# Altium PCB NFC_EEG.PcbDoc (part 2 of 3) (continued)
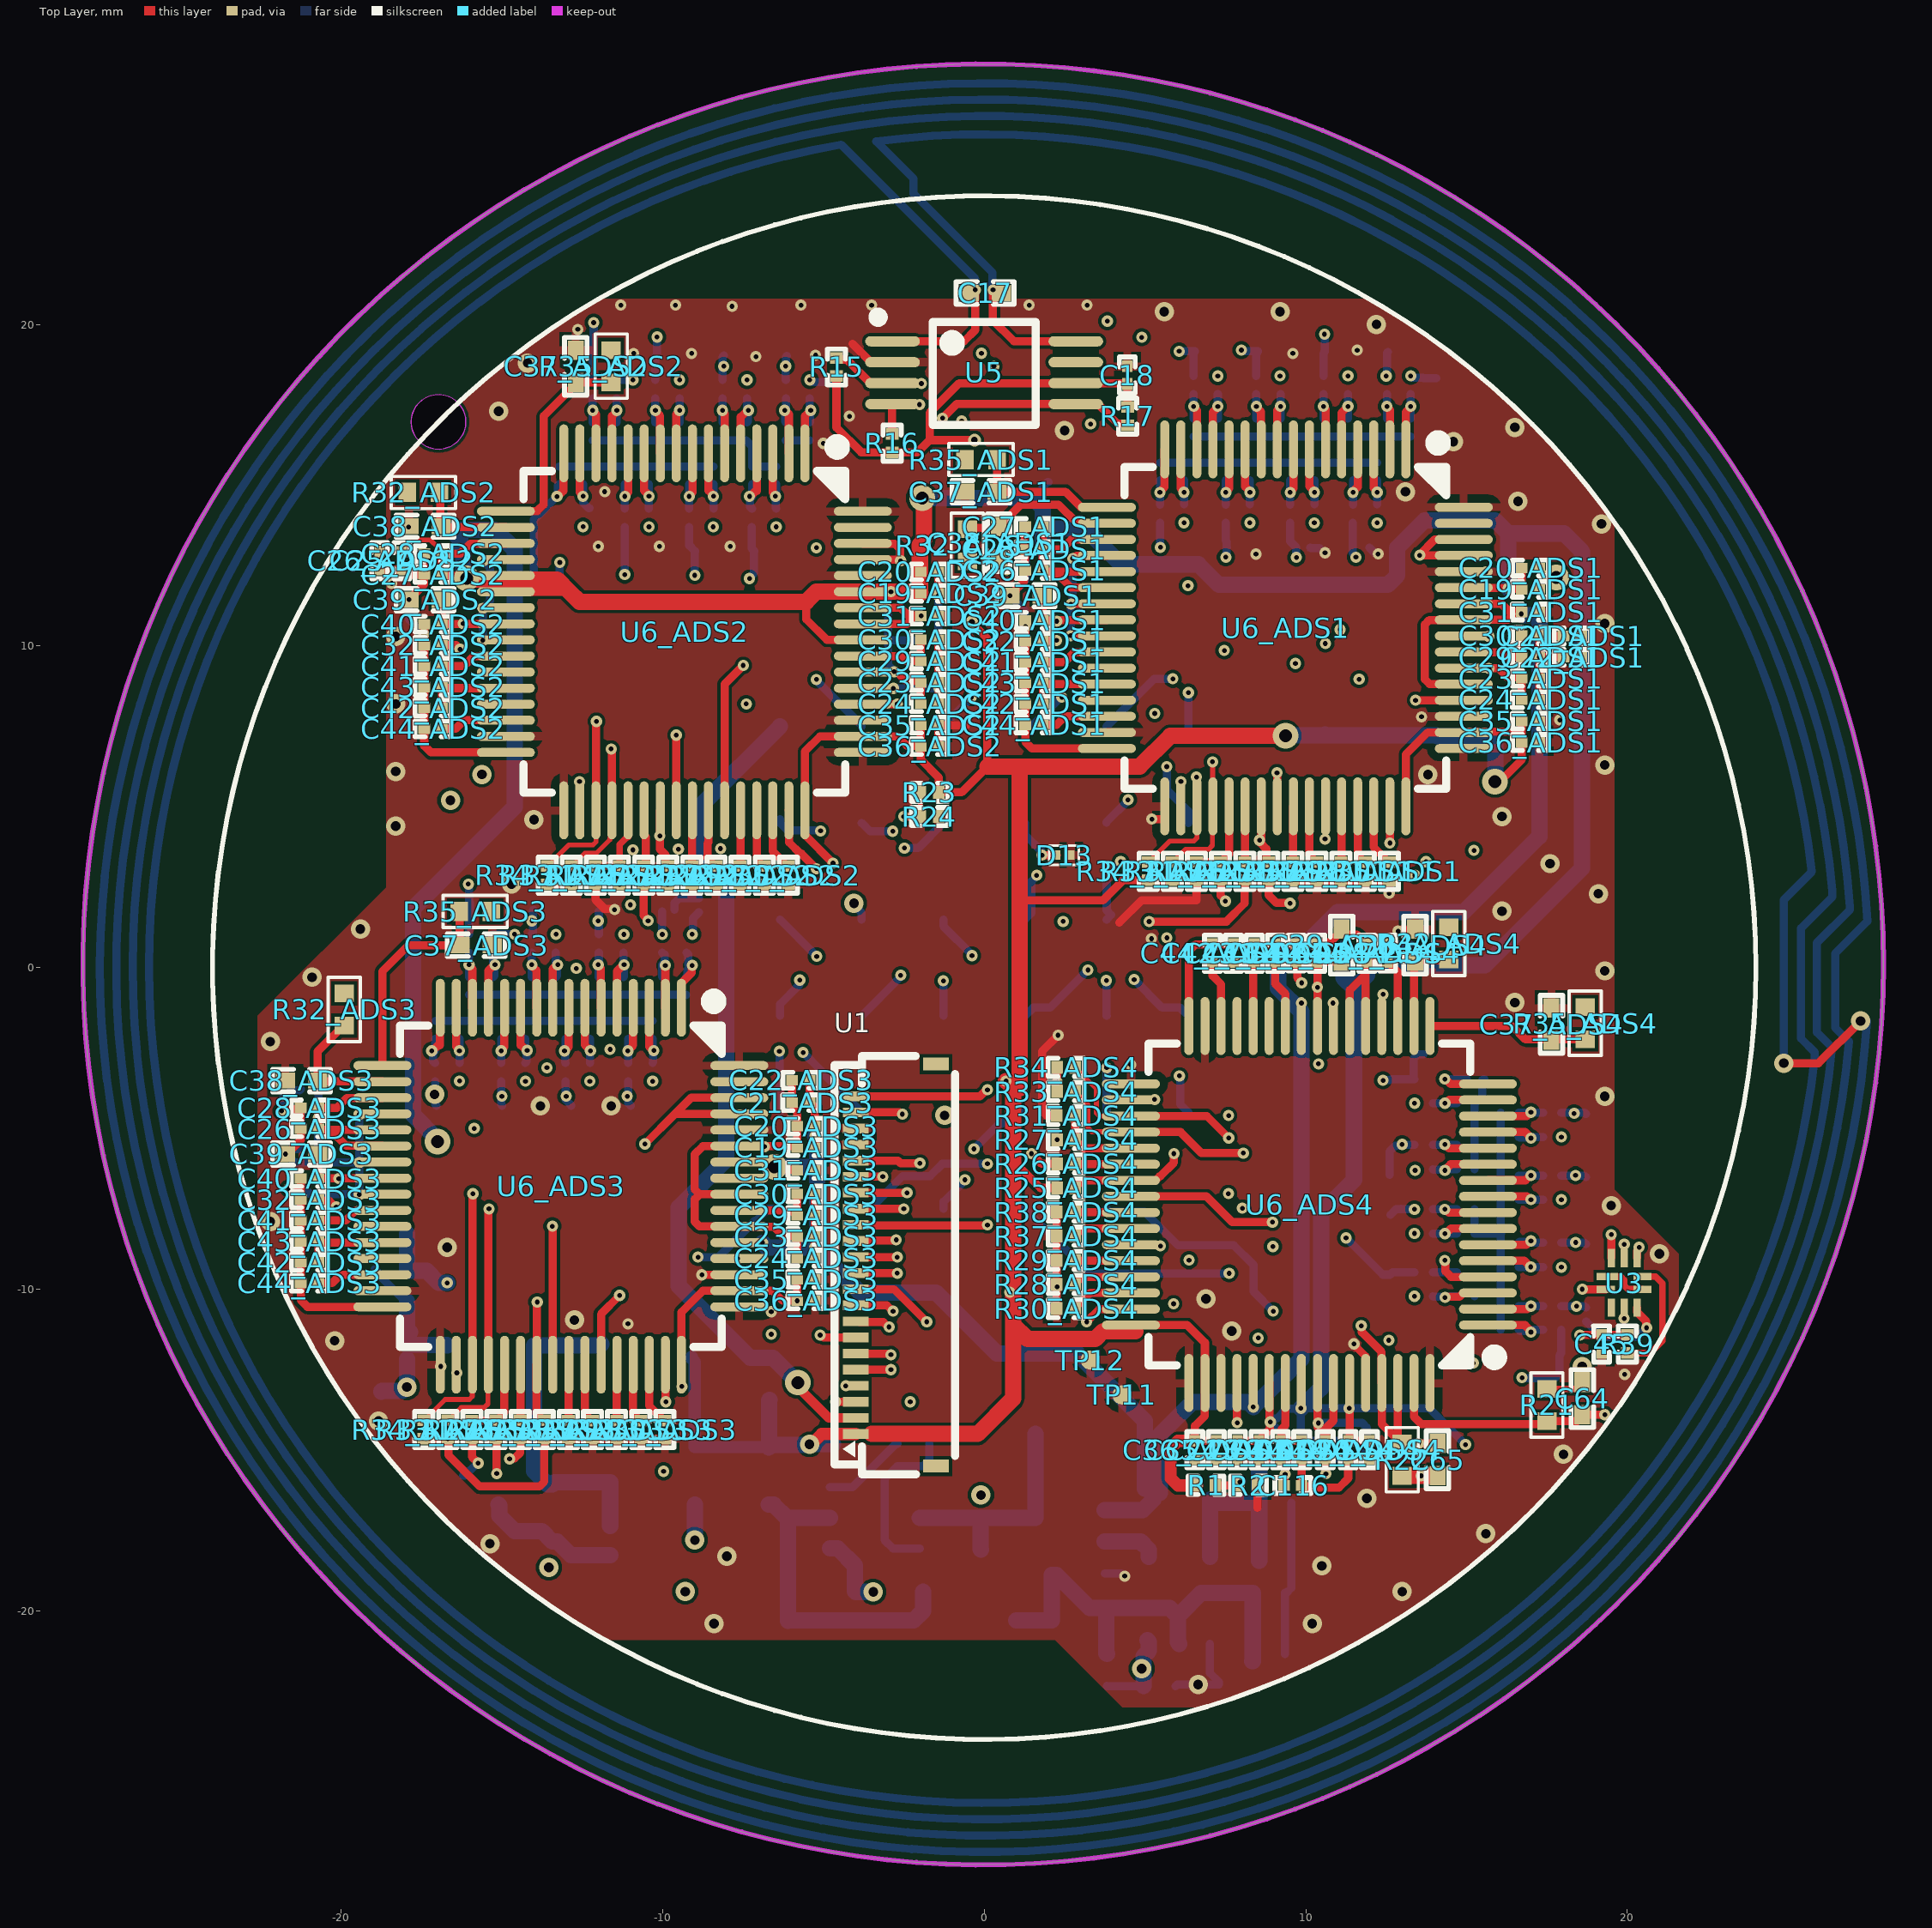
[diagram p0: Top Layer view]
## Nets (pads, with @x,y where several pads share a name; then routed paths per layer and width w, separated by ;. In a path a pad name is that pad's centre, name@x,y a point inside that pad or via, vN(x,y) a via of type N, cw(c..) or ccw(c..) an arc to the next point about the centre after c; other vN are vias at no path point) (continued)
ADS2_P5: D7_ADS2.1 J7.8 R46_ADS2.2 | length 18.7
  signal1 w0.254: v1(-9.509,3.686) -9.509,4.691 -9,5.2 v1(-9,12.2)
  signal2 w0.254: v1(-9.509,3.686) -8.495,4.7 -3.3,4.7 v1(-2.842,4.242)
  Bottom Layer w0.254: R46_ADS2.2@-9.175,13.706 -9.175,13.132 -8.995,12.952 D7_ADS2.1@-8.995,12.941 -8.997,12.938 -8.997,12.203 v1(-9,12.2) ; J7.8@-3.81,4.5 -3.552,4.242 v1(-2.842,4.242)
ADS2_P6: D6_ADS2.1 J7.25 R44_ADS2.2 | length 24.7
  signal1 w0.254: v1(-8.1,18.7) -8.1,18 -7.736,17.636 -7.736,16.836 -6.894,15.994 -6.894,14.139 -6.904,14.13 -6.904,12.275 -6.896,12.267 -6.896,-2.097 -6.396,-2.597 v1(-6.37,-2.597)
  Bottom Layer w0.254: R44_ADS2.2@-8.14,18.276 -8.14,18.985 -8.095,19.03 D6_ADS2.1@-8.095,19.041 ; v1(-6.37,-2.597) -6.36,-2.607 -6.36,-4.49 J7.25@-6.35,-4.5
ADS2_P7: D5_ADS2.1 J7.9 R42_ADS2.2 | length 17.7
  signal1 w0.254: v1(-8.201,3.702) -8.201,11.199 v1(-7.3,12.1)
  signal2 w0.254: v1(-8.201,3.702) -8.192,3.711 -2.487,3.711 v1(-2.478,3.719)
  Bottom Layer w0.254: v1(-7.3,12.1) -7.3,12.126 -7.157,12.269 -7.157,12.929 D5_ADS2.1@-7.145,12.941 -7.145,12.952 -7.224,13.03 R42_ADS2.2@-7.224,13.706 ; v1(-2.478,3.719) -2.051,3.719 J7.9@-1.27,4.5
ADS2_P8: D4_ADS2.1 J7.26 R40_ADS2.2 | length 25.4
  signal1 w0.254: v1(-6.174,18.702) -6.155,18.684 -6.155,18.155 -5.8,17.8 -5.8,16.703 -6.03,16.473 -6.03,13.334 -6.3,13.065 -6.3,-1.969 v1(-5.632,-2.638)
  Bottom Layer w0.254: R40_ADS2.2@-6.166,18.276 -6.17,18.28 -6.17,18.698 v1(-6.174,18.702) -6.155,18.721 -6.155,18.999 D4_ADS2.1@-6.137,19.018 ; v1(-5.632,-2.638) -5.069,-3.201 -5.069,-3.241 J7.26@-3.81,-4.5
ADS3_P1: D11_ADS3.1 J7.11 R54_ADS3.2 | length 32.2
  signal1 w0.254: v2(-17.093,-3.94) -17.093,-3.071 -16.778,-2.756 -16.778,-0.525 -16.779,-0.524 -16.779,4.927 -16.6,5.106 v2(-16.6,5.2)
  signal2 w0.254: v2(-16.6,5.2) -16.59,5.21 4.464,5.21 v1(4.474,5.221)
  Bottom Layer w0.254: R54_ADS3.2@-17.07,-3.535 -17.07,-4.259 -17.04,-4.289 D11_ADS3.1@-17.04,-4.3 ; J7.11@3.8,4.51 3.8,4.521 4.474,5.195 v1(4.474,5.221)
ADS3_P2: D10_ADS3.1 J7.28 R52_ADS3.2 | length 27.4
  signal1 w0.254: v1(-16.043,2.598) -16.043,2.574 -16.424,2.193 -16.424,-0.376 -15.856,-0.944 -15.856,-4.993 v1(-15.861,-4.998)
  signal2 w0.254: v1(-15.861,-4.998) -6.602,-4.998 -5.962,-5.638 -0.32,-5.638 v1(-0.319,-5.637)
  Bottom Layer w0.254: v1(-16.043,2.598) -16.024,2.58 -16.024,2.046 -16,2.022 -16,1.779 -16.02,1.759 R52_ADS3.2@-16.02,1.035 ; v1(-0.319,-5.637) 0.463,-4.855 0.551,-4.855 0.906,-4.5 J7.28@1.27,-4.5
ADS3_P3: D9_ADS3.1 J7.12 R50_ADS3.2 | length 34.6
  signal1 w0.254: v2(-15.619,6.009) -15.616,6.007 -15.616,-0.079 -15.448,-0.247 -15.448,-3.552 v1(-15,-4)
  signal2 w0.254: v2(-15.619,6.009) -15.619,6.048 -15.293,6.374 5.527,6.374 5.652,6.249 v1(5.678,6.249)
  Bottom Layer w0.254: R50_ADS3.2@-15.02,-3.535 -15.02,-4.259 -14.99,-4.289 D9_ADS3.1@-14.99,-4.3 ; v1(5.678,6.249) 5.678,5.536 6.35,4.864 J7.12@6.35,4.5
ADS3_P4: D8_ADS3.1 J7.29 R48_ADS3.2 | length 24.3
  signal1 w0.254: v1(-14.063,1.453) -14.063,0.652 -13.666,0.256 -13.666,-0.079 -13.6,-0.145 v1(-13.6,-3.11)
  signal2 w0.254: v1(-13.6,-3.11) v1(3.81,-3.11)
  Bottom Layer w0.254: R48_ADS3.2@-14.066,1.039 -14.028,1.077 -14.028,1.792 D8_ADS3.1@-14.016,1.804 ; J7.29@3.81,-4.5 v1(3.81,-3.11)
ADS3_P5: D7_ADS3.1 J7.13 R46_ADS3.2 | length 14.6
  signal1 w0.254: v1(-13,-4) -12.996,-3.996 -12.996,-3.444 -12.648,-3.096 -12.648,-1.591 -12.685,-1.554 v1(-12.685,-0.023)
  signal2 w0.254: v1(-12.685,-0.023) -12.659,-0.023 -12.255,-0.427 -8.3,-0.427 ; -8.3,-0.4 -7.55,0.35 v1(-5.207,0.35)
  Bottom Layer w0.254: R46_ADS3.2@-13.02,-3.535 -13.02,-4.109 -12.84,-4.289 D7_ADS3.1@-12.84,-4.3 ; J7.13@-6.35,1.5 -6.35,1.497 -5.207,0.353 v1(-5.207,0.35)
ADS3_P6: D6_ADS3.1 J7.30 R44_ADS3.2 | length 24.5
  signal1 w0.254: v1@-12.006,1.395 -12.006,0.661 -11.6,0.256 -11.6,-1.104 -11.635,-1.139 v1(-11.635,-2.542)
  signal2 w0.254: v1(-11.635,-2.542) -11.212,-2.12 -5.28,-2.12 -4.8,-2.6 5.304,-2.6 v1(6.07,-3.366)
  Bottom Layer w0.254: R44_ADS3.2@-11.985,1.035 -11.985,1.744 -11.94,1.789 D6_ADS3.1@-11.94,1.8 ; v1(6.07,-3.366) 6.07,-3.392 6.092,-3.415 6.092,-4.242 J7.30@6.35,-4.5
  other v1: -12.006,1.455
ADS3_P7: D5_ADS3.1 J7.14 R42_ADS3.2 | length 14.7
  signal1 w0.254: v1(-11.1,-4) -11.1,-3.255 -10.677,-2.832 -10.677,1.08 -11.002,1.404 v1(-11.002,1.955)
  signal2 w0.254: v1(-11.002,1.955) -10.984,1.973 -10.383,1.973 -10.242,1.832 -4.372,1.832 -4.27,1.934 -4.116,1.934 v2(-4.05,2)
  Bottom Layer w0.254: R42_ADS3.2@-11.069,-3.535 -11.069,-4.21 -10.99,-4.289 D5_ADS3.1@-10.99,-4.3 ; v2(-4.05,2) -4.05,1.948 -3.81,1.708 J7.14@-3.81,1.5
ADS3_P8: D4_ADS3.1 J7.31 R40_ADS3.2 | length 14.6
  signal1 w0.254: v1(-10.011,1.035) -10.011,1.009 -10.322,0.698 -10.322,-1.729 -9.451,-2.6 -9.451,-8.449 v1(-8.9,-9)
  Bottom Layer w0.254: v1(-10.011,1.035) D4_ADS3.1@-10.011,1.748 ; v1(-8.9,-9) -8.268,-9 -7.14,-7.872 -7.087,-7.872 -6.714,-7.5 J7.31@-6.35,-7.5
ADS4_P1: D11_ADS4.1 J7.15 R54_ADS4.2 | length 17.9
  signal2 w0.254: v1(-0.38,0.373) 2.492,0.373 2.536,0.418 5.382,0.418 9.304,-3.504 v1(12.404,-3.504)
  Bottom Layer w0.254: J7.15@-1.27,1.5 -1.27,1.29 -0.38,0.399 v1(-0.38,0.373) ; v1(12.404,-3.504) 12.408,-3.499 12.61,-3.499 12.615,-3.495 ; 12.656,-3.465 13.38,-3.465 13.36,-3.446 13.36,-2.824 13.485,-2.7 D11_ADS4.1@13.66,-2.7
ADS4_P2: D10_ADS4.1 J7.32 R52_ADS4.2 | length 24.2
  signal2 w0.254: v1(0.1,-6.1) 1.216,-6.1 1.304,-6.188 11.212,-6.188 12.5,-4.9 17.5,-4.9 17.869,-4.531 v1(18.347,-4.531)
  Bottom Layer w0.254: J7.32@-3.81,-7.5 -3.556,-7.5 -2.539,-6.483 -1.683,-6.483 -1.3,-6.1 v1(0.1,-6.1) ; R52_ADS4.2@17.95,-4.515 18.674,-4.515 18.704,-4.545 D10_ADS4.1@18.715,-4.545
ADS4_P3: D9_ADS4.1 J7.16 R50_ADS4.2 | length 23.5
  signal1 w0.254: v1(12.996,-5.496) 12.996,-5.47 12.864,-5.338 12.864,-2.736 13.395,-2.205 v1(13.395,2.871)
  signal2 w0.254: v1(1.631,2.87) v1(13.395,2.871)
  Bottom Layer w0.254: J7.16@1.27,1.5 1.468,1.698 1.468,2.681 1.631,2.844 v1(1.631,2.87) ; D9_ADS4.1@12.604,-6.447 12.604,-5.717 12.788,-5.533 12.938,-5.533 12.974,-5.496 v1(12.996,-5.496) v1@13,-5.496 ; v1@13,-5.515 R50_ADS4.2@13.38,-5.515
ADS4_P4: D8_ADS4.1 J7.33 R48_ADS4.2 | length 21.5
  signal2 w0.254: v1(-0.6,-6.596) -0.596,-6.6 11.5,-6.6 12.2,-5.9 17.832,-5.9 v1(18.391,-6.459)
  Bottom Layer w0.254: J7.33@-1.27,-7.5 -1.27,-7.27 -1.248,-7.27 -0.6,-6.622 v1(-0.6,-6.596) ; R48_ADS4.2@17.95,-6.465 18.654,-6.465 18.704,-6.515 D8_ADS4.1@18.715,-6.515
ADS4_P5: D7_ADS4.1 J7.17 R46_ADS4.2 | length 23.4
  signal1 w0.254: v1(13.38,-7.515) 13.398,-7.496 13.398,-6.962 13.804,-6.557 13.804,-5.27 13.802,-5.269 13.802,3.209 13.742,3.269 v1(13.742,3.295)
  signal2 w0.254: v1(4.243,3.297) 13.74,3.297 v1(13.742,3.295)
  Bottom Layer w0.254: J7.17@3.81,1.5 3.951,1.641 3.81,1.782 3.81,2.863 v1(4.243,3.297) ; D7_ADS4.1@12.638,-7.683 12.805,-7.515 12.947,-7.515 12.965,-7.497 12.974,-7.506 13.371,-7.506 v1(13.38,-7.515)
ADS4_P6: D6_ADS4.1 J7.34 R44_ADS4.2 | length 19.3
  signal2 w0.254: v1(7.617,-9.506) 11.9,-9.506 12.707,-8.698 16.298,-8.698 16.5,-8.9 18.039,-8.9 v1(18.395,-8.545)
  Bottom Layer w0.254: J7.34@1.27,-7.5 3.276,-9.506 v1(7.617,-9.506) ; R44_ADS4.2@17.95,-8.55 18.659,-8.55 18.704,-8.595 D6_ADS4.1@18.715,-8.595
ADS4_P7: D5_ADS4.1 J7.18 R42_ADS4.2 | length 15
  signal1 w0.254: v1(10.397,-2.991) 10.397,-3.017 10.1,-3.313 10.1,-7.251 v1(11.254,-8.405)
  signal2 w0.254: v1(5.681,0.926) 9.579,-2.972 10.378,-2.972 v1(10.397,-2.991)
  Bottom Layer w0.254: v1@11.247,-8.399 v1(11.254,-8.405) 12.394,-9.545 D5_ADS4.1@12.615,-9.545 ; D5_ADS4.1@12.626,-9.545 12.704,-9.466 R42_ADS4.2@13.38,-9.466
ADS4_P8: D4_ADS4.1 J7.35 R40_ADS4.2 | length 17.5
  signal2 w0.254: v1(8.991,-10.684) 8.998,-10.676 16.376,-10.676 16.628,-10.928 17.287,-10.928 17.715,-10.5 17.925,-10.5 17.936,-10.511 18.402,-10.511 v1(18.42,-10.529)
  Bottom Layer w0.254: J7.35@3.81,-7.5 3.906,-7.596 4.991,-7.596 6.025,-8.63 7.763,-8.63 8.374,-9.24 8.374,-10.067 v1(8.991,-10.684) ; R40_ADS4.2@17.95,-10.524 17.952,-10.527 18.418,-10.527 v1(18.42,-10.529) ; v1@18.416,-10.526 18.665,-10.526 18.692,-10.553 18.703,-10.553 D4_ADS4.1@18.715,-10.565
ADS_AIN_N1_ADS1: C61_ADS1.1 R56_ADS1.1 U6_ADS1.15 | length 2.1
  Top Layer w0.254: U6_ADS1.15@6.115,16.115 6.115,14.906 6.215,14.806 v1(6.215,14.78)
  Bottom Layer w0.254: R56_ADS1.1@6.215,14.405 v1(6.215,14.78) C61_ADS1.1@6.215,15.156
ADS_AIN_N1_ADS2: C61_ADS2.1 R56_ADS2.1 U6_ADS2.15 | length 2.1
  Top Layer w0.254: v1@-12.575,14.782 U6_ADS2.15@-12.575,15.991
  Bottom Layer w0.254: C61_ADS2.1@-12.475,15.032 v1(-12.475,14.656) -12.475,14.461 -12.295,14.281 R56_ADS2.1@-12.275,14.281
ADS_AIN_N1_ADS3: C61_ADS3.1 R56_ADS3.1 U6_ADS3.15 | length 2.1
  Top Layer w0.254: U6_ADS3.15@-16.42,-1.25 -16.42,-2.459 -16.32,-2.559 v1(-16.32,-2.585)
  Bottom Layer w0.254: R56_ADS3.1@-16.32,-2.961 v1(-16.32,-2.585) C61_ADS3.1@-16.32,-2.209
ADS_AIN_N1_ADS4: C61_ADS4.1 R56_ADS4.1 U6_ADS4.15 | length 2.1
  Top Layer w0.254: v1(14.33,-4.215) 14.356,-4.215 14.456,-4.115 U6_ADS4.15@15.665,-4.115
  Bottom Layer w0.254: R56_ADS4.1@13.955,-4.215 v1(14.33,-4.215) C61_ADS4.1@14.706,-4.215
ADS_AIN_N2_ADS1: C59_ADS1.1 R53_ADS1.1 U6_ADS1.13 | length 2.2
  Top Layer w0.254: U6_ADS1.13@7.115,16.115 7.115,17.277 7.265,17.427 v1(7.265,17.453)
  Bottom Layer w0.254: C59_ADS1.1@7.265,17.077 v1(7.265,17.453) R53_ADS1.1@7.265,17.83
ADS_AIN_N2_ADS2: C59_ADS2.1 R53_ADS2.1 U6_ADS2.13 | length 2.2
  Top Layer w0.254: U6_ADS2.13@-11.575,15.991 -11.575,17.154 -11.425,17.304 v1(-11.425,17.329)
  Bottom Layer w0.254: C59_ADS2.1@-11.425,16.953 v1(-11.425,17.329) R53_ADS2.1@-11.425,17.706
ADS_AIN_N2_ADS3: C59_ADS3.1 R53_ADS3.1 U6_ADS3.13 | length 2.2
  Top Layer w0.254: U6_ADS3.13@-15.42,-1.25 -15.42,-0.087 -15.415,-0.087 -15.239,0.089 v1(-15.213,0.089)
  Bottom Layer w0.254: C59_ADS3.1@-15.27,-0.288 -15.231,-0.249 -15.231,0.044 -15.213,0.063 v1(-15.213,0.089) ; v1@-15.27,0.089 R53_ADS3.1@-15.27,0.465
ADS_AIN_N2_ADS4: C59_ADS4.1 R53_ADS4.1 U6_ADS4.13 | length 2.2
  Top Layer w0.254: U6_ADS4.13@15.665,-5.115 16.827,-5.115 17.003,-5.291 v1(17.003,-5.304)
  Bottom Layer w0.254: C59_ADS4.1@16.627,-5.265 16.647,-5.285 16.985,-5.285 v1(17.003,-5.304) ; v1@17.003,-5.265 R53_ADS4.1@17.38,-5.265
ADS_AIN_N3_ADS1: C57_ADS1.1 R51_ADS1.1 U6_ADS1.11 | length 2.1
  Top Layer w0.254: U6_ADS1.11@8.115,16.115 8.115,14.956 8.265,14.806 v1(8.265,14.78)
  Bottom Layer w0.254: R51_ADS1.1@8.265,14.403 v1(8.265,14.78) C57_ADS1.1@8.265,15.156
ADS_AIN_N3_ADS2: C57_ADS2.1 R51_ADS2.1 U6_ADS2.11 | length 2.1
  Top Layer w0.254: U6_ADS2.11@-10.575,15.991 -10.575,14.832 -10.425,14.682 v1(-10.425,14.656)
  Bottom Layer w0.254: R51_ADS2.1@-10.425,14.28 v1(-10.425,14.656) C57_ADS2.1@-10.425,15.032
ADS_AIN_N3_ADS3: C57_ADS3.1 R51_ADS3.1 U6_ADS3.11 | length 2.2
  Top Layer w0.254: U6_ADS3.11@-14.42,-1.25 -14.42,-2.409 -14.403,-2.409 -14.239,-2.573 v1(-14.213,-2.573)
  Bottom Layer w0.254: R51_ADS3.1@-14.27,-2.961 -14.231,-2.923 -14.231,-2.592 v1(-14.213,-2.573) ; v1@-14.27,-2.585 C57_ADS3.1@-14.27,-2.209
ADS_AIN_N3_ADS4: C57_ADS4.1 R51_ADS4.1 U6_ADS4.11 | length 2.2
  Top Layer w0.254: v1(14.33,-6.304) 14.33,-6.291 14.506,-6.115 U6_ADS4.11@15.665,-6.115
  Bottom Layer w0.254: R51_ADS4.1@13.953,-6.265 13.974,-6.285 14.311,-6.285 v1(14.33,-6.304) ; v1@14.33,-6.265 C57_ADS4.1@14.706,-6.265
ADS_AIN_N4_ADS1: C55_ADS1.1 R49_ADS1.1 U6_ADS1.9 | length 2.1
  Top Layer w0.254: U6_ADS1.9@9.115,16.115 9.115,17.327 9.215,17.427 v1(9.215,17.453)
  Bottom Layer w0.254: C55_ADS1.1@9.215,17.077 v1(9.215,17.453) R49_ADS1.1@9.215,17.83
ADS_AIN_N4_ADS2: C55_ADS2.1 R49_ADS2.1 U6_ADS2.9 | length 2.1
  Top Layer w0.254: U6_ADS2.9@-9.575,15.991 -9.575,17.204 -9.475,17.304 v1(-9.475,17.329)
  Bottom Layer w0.254: C55_ADS2.1@-9.475,16.953 v1(-9.475,17.329) R49_ADS2.1@-9.475,17.706
ADS_AIN_N4_ADS3: C55_ADS3.1 R49_ADS3.1 U6_ADS3.9 | length 2.2
  Top Layer w0.254: U6_ADS3.9@-13.42,-1.25 -13.42,-0.037 -13.415,-0.037 -13.289,0.089 v1(-13.263,0.089)
  Bottom Layer w0.254: C55_ADS3.1@-13.32,-0.288 -13.281,-0.249 -13.281,0.044 -13.263,0.063 v1(-13.263,0.089) ; v1@-13.32,0.089 R49_ADS3.1@-13.32,0.465
ADS_AIN_N4_ADS4: C55_ADS4.1 R49_ADS4.1 U6_ADS4.9 | length 2.1
  Top Layer w0.254: U6_ADS4.9@15.665,-7.115 16.877,-7.115 16.977,-7.215 v1(17.003,-7.215)
  Bottom Layer w0.254: C55_ADS4.1@16.627,-7.215 v1(17.003,-7.215) R49_ADS4.1@17.38,-7.215
ADS_AIN_N5_ADS1: C53_ADS1.1 R47_ADS1.1 U6_ADS1.7 | length 2.2
  Top Layer w0.254: U6_ADS1.7@10.115,16.115 10.115,14.962 10.271,14.806 v1(10.271,14.78)
  Bottom Layer w0.254: R47_ADS1.1@10.271,14.403 v1(10.271,14.78) C53_ADS1.1@10.271,15.156
ADS_AIN_N5_ADS2: C53_ADS2.1 R47_ADS2.1 U6_ADS2.7 | length 2.2
  Top Layer w0.254: U6_ADS2.7@-8.575,15.991 -8.575,14.838 -8.419,14.682 v1(-8.419,14.656)
  Bottom Layer w0.254: R47_ADS2.1@-8.419,14.28 v1(-8.419,14.656) C53_ADS2.1@-8.419,15.032
ADS_AIN_N5_ADS3: C53_ADS3.1 R47_ADS3.1 U6_ADS3.7 | length 2.2
  Top Layer w0.254: U6_ADS3.7@-12.42,-1.25 -12.42,-2.403 -12.264,-2.559 v1@-12.264,-2.585
  Bottom Layer w0.254: R47_ADS3.1@-12.264,-2.961 -12.264,-2.585 C53_ADS3.1@-12.264,-2.209
  other v1: -12.244,-2.585
ADS_AIN_N5_ADS4: C53_ADS4.1 R47_ADS4.1 U6_ADS4.7 | length 2.2
  Top Layer w0.254: v1(14.33,-8.271) 14.356,-8.271 14.512,-8.115 U6_ADS4.7@15.665,-8.115
  Bottom Layer w0.254: R47_ADS4.1@13.953,-8.271 v1(14.33,-8.271) C53_ADS4.1@14.706,-8.271
ADS_AIN_N6_ADS1: C51_ADS1.1 R45_ADS1.1 U6_ADS1.5 | length 2.2
  Top Layer w0.254: U6_ADS1.5@11.115,16.115 11.115,17.253 v1(11.315,17.453)
  Bottom Layer w0.254: C51_ADS1.1@11.315,17.077 v1(11.315,17.453) R45_ADS1.1@11.315,17.83
ADS_AIN_N6_ADS2: C51_ADS2.1 R45_ADS2.1 U6_ADS2.5 | length 2.2
  Top Layer w0.254: U6_ADS2.5@-7.575,15.991 -7.575,17.13 -7.559,17.13 -7.359,17.329 v1(-7.333,17.329)
  Bottom Layer w0.254: C51_ADS2.1@-7.375,16.953 -7.351,16.977 -7.351,17.311 v1(-7.333,17.329) ; v1@-7.375,17.329 R45_ADS2.1@-7.375,17.706
ADS_AIN_N6_ADS3: C51_ADS3.1 R45_ADS3.1 U6_ADS3.5 | length 2.2
  Top Layer w0.254: U6_ADS3.5@-11.42,-1.25 -11.42,-0.111 -11.22,0.089 v1(-11.196,0.089)
  Bottom Layer w0.254: C51_ADS3.1@-11.22,-0.288 -11.206,-0.274 -11.206,0.079 v1(-11.196,0.089) ; v1@-11.22,0.089 R45_ADS3.1@-11.22,0.465
ADS_AIN_N6_ADS4: C51_ADS4.1 R45_ADS4.1 U6_ADS4.5 | length 2.2
  Top Layer w0.254: U6_ADS4.5@15.665,-9.115 16.802,-9.115 16.99,-9.304 v1(16.995,-9.304)
  Bottom Layer w0.254: C51_ADS4.1@16.627,-9.315 16.633,-9.309 16.969,-9.309 v1@16.985,-9.293 ; v1(16.995,-9.304) 17,-9.309 17.374,-9.309 R45_ADS4.1@17.38,-9.315
ADS_AIN_N7_ADS1: C49_ADS1.1 R43_ADS1.1 U6_ADS1.3 | length 2.1
  Top Layer w0.254: U6_ADS1.3@12.115,16.115 12.115,14.91 12.22,14.806 v1(12.22,14.78)
  Bottom Layer w0.254: R43_ADS1.1@12.22,14.403 v1(12.22,14.78) C49_ADS1.1@12.22,15.156
ADS_AIN_N7_ADS2: C49_ADS2.1 R43_ADS2.1 U6_ADS2.3 | length 2.1
  Top Layer w0.254: U6_ADS2.3@-6.575,15.991 -6.575,14.766 -6.491,14.682 v1(-6.491,14.656)
  Bottom Layer w0.254: v1(-6.491,14.656) -6.48,14.646 -6.48,14.29 R43_ADS2.1@-6.47,14.28 ; v1@-6.47,14.656 C49_ADS2.1@-6.47,15.032
ADS_AIN_N7_ADS3: C49_ADS3.1 R43_ADS3.1 U6_ADS3.3 | length 2.2
  Top Layer w0.254: U6_ADS3.3@-10.42,-1.25 -10.42,-2.454 -10.296,-2.579 v1(-10.274,-2.579)
  Bottom Layer w0.254: R43_ADS3.1@-10.315,-2.961 -10.292,-2.939 -10.292,-2.597 v1(-10.274,-2.579) ; v1@-10.315,-2.585 C49_ADS3.1@-10.315,-2.209
ADS_AIN_N7_ADS4: C49_ADS4.1 R43_ADS4.1 U6_ADS4.3 | length 2.2
  Top Layer w0.254: v1(14.33,-10.255) 14.348,-10.237 14.776,-10.237 14.898,-10.115 U6_ADS4.3@15.665,-10.115
  Bottom Layer w0.254: R43_ADS4.1@13.953,-10.22 13.971,-10.237 14.312,-10.237 v1(14.33,-10.255) ; v1@14.33,-10.22 C49_ADS4.1@14.706,-10.22
ADS_AIN_N8_ADS1: C47_ADS1.1 R41_ADS1.1 U6_ADS1.1 | length 2.2
  Top Layer w0.254: U6_ADS1.1@13.115,16.115 13.115,17.277 13.265,17.427 v1(13.265,17.453)
  Bottom Layer w0.254: C47_ADS1.1@13.265,17.077 v1(13.265,17.453) R41_ADS1.1@13.265,17.83
ADS_AIN_N8_ADS2: C47_ADS2.1 R41_ADS2.1 U6_ADS2.1 | length 2.2
  Top Layer w0.254: U6_ADS2.1@-5.575,15.991 -5.575,17.154 -5.399,17.329 v1(-5.396,17.329)
  Bottom Layer w0.254: C47_ADS2.1@-5.425,16.953 -5.411,16.967 -5.411,17.315 v1(-5.396,17.329) ; v1@-5.425,17.329 R41_ADS2.1@-5.425,17.706
ADS_AIN_N8_ADS3: C47_ADS3.1 R41_ADS3.1 U6_ADS3.1 | length 2.3
  Top Layer w0.254: U6_ADS3.1@-9.42,-1.25 -9.42,-0.483 -9.099,-0.163 -9.099,0.052 v1(-9.081,0.071)
  Bottom Layer w0.254: C47_ADS3.1@-9.27,-0.288 -9.231,-0.249 -9.231,-0.076 -9.085,0.071 v1(-9.081,0.071) ; R41_ADS3.1@-9.253,0.465 -9.203,0.416 -9.203,0.089 v1@-9.185,0.071
ADS_AIN_N8_ADS4: C47_ADS4.1 R41_ADS4.1 U6_ADS4.1 | length 2.2
  Top Layer w0.254: U6_ADS4.1@15.665,-11.115 16.827,-11.115 16.827,-11.129 17.004,-11.305 v1(17.004,-11.331)
  Bottom Layer w0.254: C47_ADS4.1@16.627,-11.265 16.662,-11.3 16.947,-11.3 16.978,-11.331 v1(17.004,-11.331) ; v1@17.003,-11.265 R41_ADS4.1@17.38,-11.265
ADS_AIN_P1_ADS1: C60_ADS1.2 R54_ADS1.1 U6_ADS1.16 | length 2.2
  Top Layer w0.254: v1(5.465,14.776) 5.465,14.802 5.61,14.947 5.61,16.11 U6_ADS1.16@5.615,16.115
  Bottom Layer w0.254: R54_ADS1.1@5.465,14.4 v1(5.465,14.776) C60_ADS1.2@5.465,15.152
ADS_AIN_P1_ADS2: C60_ADS2.2 R54_ADS2.1 U6_ADS2.16 | length 4.5
  Top Layer w0.254: v1(-13.285,14.652) -13.259,14.652 -13.088,14.823 -13.08,14.823 -13.08,15.986 U6_ADS2.16@-13.075,15.991
  Bottom Layer w0.254: R54_ADS2.1@-14,12.285 -14,13.937 v1(-13.285,14.652) -13.285,14.678 -13.26,14.703 -13.26,14.994 C60_ADS2.2@-13.225,15.029
ADS_AIN_P1_ADS3: C60_ADS3.2 R54_ADS3.1 U6_ADS3.16 | length 2.3
  Top Layer w0.254: v1(-17.181,-2.589) -17.155,-2.589 -16.984,-2.418 -16.925,-2.418 -16.925,-1.255 U6_ADS3.16@-16.92,-1.25
  Bottom Layer w0.254: v1(-17.181,-2.589) -17.181,-2.615 -17.139,-2.657 -17.139,-2.908 -17.083,-2.965 R54_ADS3.1@-17.07,-2.965 ; v1@-17.07,-2.589 C60_ADS3.2@-17.07,-2.212
ADS_AIN_P1_ADS4: C60_ADS4.2 R54_ADS4.1 U6_ADS4.16 | length 2.1
  Top Layer w0.254: v1(14.326,-3.465) 14.352,-3.465 14.497,-3.61 15.66,-3.61 U6_ADS4.16@15.665,-3.615
  Bottom Layer w0.254: v1(14.326,-3.465) C60_ADS4.2@15.002,-3.465
ADS_AIN_P2_ADS1: C58_ADS1.2 R52_ADS1.1 U6_ADS1.14 | length 2.1
  Top Layer w0.254: v1(6.515,17.453) 6.515,17.427 6.615,17.327 U6_ADS1.14@6.615,16.115
  Bottom Layer w0.254: C58_ADS1.2@6.515,17.077 v1(6.515,17.453) R52_ADS1.1@6.515,17.83
ADS_AIN_P2_ADS2: C58_ADS2.2 R52_ADS2.1 U6_ADS2.14 | length 2.1
  Top Layer w0.254: v1(-12.175,17.329) -12.175,17.304 -12.075,17.204 U6_ADS2.14@-12.075,15.991
  Bottom Layer w0.254: C58_ADS2.2@-12.175,16.953 v1(-12.175,17.329) R52_ADS2.1@-12.175,17.706
ADS_AIN_P2_ADS3: C58_ADS3.2 R52_ADS3.1 U6_ADS3.14 | length 2.1
  Top Layer w0.254: v1(-16.02,0.089) -16.02,0.063 -15.92,-0.037 U6_ADS3.14@-15.92,-1.25
  Bottom Layer w0.254: C58_ADS3.2@-16.02,-0.288 v1(-16.02,0.089) R52_ADS3.1@-16.02,0.465
ADS_AIN_P2_ADS4: C58_ADS4.2 R52_ADS4.1 U6_ADS4.14 | length 2.1
  Top Layer w0.254: U6_ADS4.14@15.665,-4.615 16.877,-4.615 16.996,-4.496 v1(17.003,-4.496)
  Bottom Layer w0.254: C58_ADS4.2@16.627,-4.515 16.636,-4.506 16.994,-4.506 v1(17.003,-4.496) ; v1@17.003,-4.515 R52_ADS4.1@17.38,-4.515
ADS_AIN_P3_ADS1: C56_ADS1.2 R50_ADS1.1 U6_ADS1.12 | length 2.1
  Top Layer w0.254: v1(7.515,14.776) 7.515,14.802 7.615,14.902 U6_ADS1.12@7.615,16.115
  Bottom Layer w0.254: R50_ADS1.1@7.515,14.4 v1(7.515,14.776) C56_ADS1.2@7.515,15.152
ADS_AIN_P3_ADS2: C56_ADS2.2 R50_ADS2.1 U6_ADS2.12 | length 2.1
  Top Layer w0.254: v1(-11.175,14.652) -11.175,14.678 -11.075,14.778 U6_ADS2.12@-11.075,15.991
  Bottom Layer w0.254: R50_ADS2.1@-11.175,14.276 v1(-11.175,14.652) C56_ADS2.2@-11.175,15.029
ADS_AIN_P3_ADS3: C56_ADS3.2 R50_ADS3.1 U6_ADS3.12 | length 2.1
  Top Layer w0.254: v1(-15.02,-2.589) -15.02,-2.563 -14.92,-2.463 U6_ADS3.12@-14.92,-1.25
  Bottom Layer w0.254: R50_ADS3.1@-15.02,-2.965 v1(-15.02,-2.589) C56_ADS3.2@-15.02,-2.212
ADS_AIN_P3_ADS4: C56_ADS4.2 R50_ADS4.1 U6_ADS4.12 | length 2.1
  Top Layer w0.254: v1(14.326,-5.496) 14.334,-5.496 14.452,-5.615 U6_ADS4.12@15.665,-5.615
  Bottom Layer w0.254: R50_ADS4.1@13.95,-5.515 13.959,-5.506 14.317,-5.506 v1(14.326,-5.496) ; v1@14.326,-5.515 C56_ADS4.2@14.702,-5.515
ADS_AIN_P4_ADS1: C54_ADS1.2 R48_ADS1.1 U6_ADS1.10 | length 2.2
  Top Layer w0.254: v1(8.465,17.453) 8.465,17.427 8.61,17.282 8.61,16.12 U6_ADS1.10@8.615,16.115
  Bottom Layer w0.254: C54_ADS1.2@8.465,17.077 v1(8.465,17.453) R48_ADS1.1@8.465,17.83
ADS_AIN_P4_ADS2: C54_ADS2.2 R48_ADS2.1 U6_ADS2.10 | length 2.2
  Top Layer w0.254: v1(-10.225,17.329) -10.225,17.304 -10.08,17.159 -10.08,15.996 U6_ADS2.10@-10.075,15.991
  Bottom Layer w0.254: C54_ADS2.2@-10.225,16.953 v1(-10.225,17.329) R48_ADS2.1@-10.225,17.706
ADS_AIN_P4_ADS3: C54_ADS3.2 R48_ADS3.1 U6_ADS3.10 | length 2.2
  Top Layer w0.254: v1(-14.07,0.089) -14.07,0.063 -13.925,-0.082 -13.925,-1.245 U6_ADS3.10@-13.92,-1.25
  Bottom Layer w0.254: C54_ADS3.2@-14.07,-0.288 v1(-14.07,0.089) R48_ADS3.1@-14.07,0.465
ADS_AIN_P4_ADS4: C54_ADS4.2 R48_ADS4.1 U6_ADS4.10 | length 2.2
  Top Layer w0.254: U6_ADS4.10@15.665,-6.615 15.67,-6.61 16.832,-6.61 16.977,-6.465 v1(17.003,-6.465)
  Bottom Layer w0.254: C54_ADS4.2@16.627,-6.465 v1(17.003,-6.465) R48_ADS4.1@17.38,-6.465
ADS_AIN_P5_ADS1: C52_ADS1.2 R46_ADS1.1 U6_ADS1.8 | length 2.1
  Top Layer w0.254: v1(9.515,14.776) 9.515,14.802 9.615,14.902 U6_ADS1.8@9.615,16.115
  Bottom Layer w0.254: R46_ADS1.1@9.515,14.4 v1(9.515,14.776) C52_ADS1.2@9.515,15.152
ADS_AIN_P5_ADS2: C52_ADS2.2 R46_ADS2.1 U6_ADS2.8 | length 2.1
  Top Layer w0.254: v1(-9.175,14.652) -9.175,14.678 -9.075,14.778 U6_ADS2.8@-9.075,15.991
  Bottom Layer w0.254: R46_ADS2.1@-9.175,14.276 v1(-9.175,14.652) C52_ADS2.2@-9.175,15.029
ADS_AIN_P5_ADS3: C52_ADS3.2 R46_ADS3.1 U6_ADS3.8 | length 2.2
  Top Layer w0.254: v1(-13.051,-2.589) -13.046,-2.589 -12.92,-2.463 U6_ADS3.8@-12.92,-1.25
  Bottom Layer w0.254: v1(-13.051,-2.589) -13.034,-2.606 -13.034,-2.951 R46_ADS3.1@-13.02,-2.965 ; v1@-13.02,-2.589 C52_ADS3.2@-13.02,-2.212
ADS_AIN_P5_ADS4: C52_ADS4.2 R46_ADS4.1 U6_ADS4.8 | length 2.1
  Top Layer w0.254: v1(14.326,-7.515) 14.352,-7.515 14.452,-7.615 U6_ADS4.8@15.665,-7.615
  Bottom Layer w0.254: R46_ADS4.1@13.95,-7.515 v1(14.326,-7.515) C52_ADS4.2@14.702,-7.515
ADS_AIN_P6_ADS1: C50_ADS1.2 R44_ADS1.1 U6_ADS1.6 | length 2.1
  Top Layer w0.254: v1(10.55,17.453) 10.55,17.427 10.615,17.362 U6_ADS1.6@10.615,16.115
  Bottom Layer w0.254: C50_ADS1.2@10.55,17.077 v1(10.55,17.453) R44_ADS1.1@10.55,17.83
ADS_AIN_P6_ADS2: C50_ADS2.2 R44_ADS2.1 U6_ADS2.6 | length 2.1
  Top Layer w0.254: v1(-8.14,17.329) -8.14,17.304 -8.075,17.239 U6_ADS2.6@-8.075,15.991
  Bottom Layer w0.254: C50_ADS2.2@-8.14,16.953 v1(-8.14,17.329) R44_ADS2.1@-8.14,17.706
ADS_AIN_P6_ADS3: C50_ADS3.2 R44_ADS3.1 U6_ADS3.6 | length 2.1
  Top Layer w0.254: v1(-12.004,0.089) -12.004,0.063 -11.921,-0.02 -11.921,-1.249 U6_ADS3.6@-11.92,-1.25
  Bottom Layer w0.254: v1(-12.004,0.089) -11.985,0.07 C50_ADS3.2@-11.985,-0.287 ; v1@-11.985,0.089 R44_ADS3.1@-11.985,0.465
ADS_AIN_P6_ADS4: C50_ADS4.2 R44_ADS4.1 U6_ADS4.6 | length 2.2
  Top Layer w0.254: U6_ADS4.6@15.665,-8.615 16.859,-8.615 16.977,-8.496 v1(17.003,-8.496)
  Bottom Layer w0.254: C50_ADS4.2@16.627,-8.55 16.647,-8.53 16.944,-8.53 16.977,-8.496 v1(17.003,-8.496) ; v1@17.003,-8.55 R44_ADS4.1@17.38,-8.55
ADS_AIN_P7_ADS1: C48_ADS1.2 R42_ADS1.1 U6_ADS1.4 | length 2.2
  Top Layer w0.254: v1(11.469,14.776) 11.469,14.802 11.615,14.948 U6_ADS1.4@11.615,16.115
  Bottom Layer w0.254: R42_ADS1.1@11.469,14.4 v1(11.469,14.776) C48_ADS1.2@11.469,15.152
ADS_AIN_P7_ADS2: C48_ADS2.2 R42_ADS2.1 U6_ADS2.4 | length 2.2
  Top Layer w0.254: v1(-7.298,14.652) -7.272,14.652 -7.1,14.824 -7.075,14.824 U6_ADS2.4@-7.075,15.991
  Bottom Layer w0.254: v1(-7.298,14.652) -7.279,14.634 -7.279,14.329 -7.227,14.276 R42_ADS2.1@-7.22,14.276 ; v1@-7.22,14.652 C48_ADS2.2@-7.22,15.029
ADS_AIN_P7_ADS3: C48_ADS3.2 R42_ADS3.1 U6_ADS3.4 | length 2.2
  Top Layer w0.254: v1(-11.081,-2.587) -11.081,-2.578 -10.92,-2.417 U6_ADS3.4@-10.92,-1.25
  Bottom Layer w0.254: v1(-11.081,-2.587) -11.073,-2.595 -11.073,-2.957 R42_ADS3.1@-11.07,-2.96 ; v1@-11.066,-2.589 C48_ADS3.2@-11.066,-2.212
ADS_AIN_P7_ADS4: C48_ADS4.2 R42_ADS4.1 U6_ADS4.4 | length 2.9
  Top Layer w0.254: v1(14.326,-9.102) 14.345,-9.12 14.345,-9.44 14.519,-9.615 U6_ADS4.4@15.665,-9.615
  Bottom Layer w0.254: R42_ADS4.1@13.95,-9.469 14.326,-9.469 ; v1(14.326,-9.102) 14.326,-9.469 ; C48_ADS4.2@14.702,-9.469 14.326,-9.469
ADS_AIN_P8_ADS1: C46_ADS1.2 R40_ADS1.1 U6_ADS1.2 | length 2.1
  Top Layer w0.254: v1(12.524,17.453) 12.524,17.427 12.615,17.337 U6_ADS1.2@12.615,16.115
  Bottom Layer w0.254: C46_ADS1.2@12.524,17.077 v1(12.524,17.453) R40_ADS1.1@12.524,17.83
ADS_AIN_P8_ADS2: C46_ADS2.2 R40_ADS2.1 U6_ADS2.2 | length 2.2
  Top Layer w0.254: v1(-6.204,17.329) -6.192,17.329 -6.075,17.213 U6_ADS2.2@-6.075,15.991
  Bottom Layer w0.254: v1(-6.204,17.329) -6.189,17.315 -6.189,16.977 C46_ADS2.2@-6.166,16.953 ; v1@-6.166,17.329 R40_ADS2.1@-6.166,17.706
ADS_AIN_P8_ADS3: C46_ADS3.2 R40_ADS3.1 U6_ADS3.2 | length 2.1
  Top Layer w0.254: U6_ADS3.2@-9.92,-1.25 U6_ADS3.2@-9.916,-1.246 -9.917,0.069 v1(-9.918,0.07)
  Bottom Layer w0.254: C46_ADS3.2@-10.021,-0.277 v1@-10.021,0.089 ; R40_ADS3.1@-10.011,0.465 -9.962,0.416 -9.937,0.416 -9.937,0.088 v1(-9.918,0.07)
ADS_AIN_P8_ADS4: C46_ADS4.2 R40_ADS4.1 U6_ADS4.2 | length 2.1
  Top Layer w0.254: U6_ADS4.2@15.665,-10.615 16.887,-10.615 16.977,-10.524 v1(17.003,-10.524)
  Bottom Layer w0.254: C46_ADS4.2@16.627,-10.524 v1(17.003,-10.524) R40_ADS4.1@17.38,-10.524
ADS_BIAS: C45.2 D13.2 J7.10 R39.2 | length 37.2
  Top Layer w0.254: v1(1.8,3.5) D13.2@2.26,3.5 ; v1(18.525,-11.424) v1(18.525,-11.424) C45.2@19.2,-11.426 C45.2@19.2,-11.426 ; C45.2@19.257,-11.368 19.235,-11.368 19.2,-11.403 C45.2@19.2,-11.426 ; R39.2@20,-11.415 19.995,-11.42 19.205,-11.42 C45.2@19.2,-11.426
  signal1 w0.254: v1(15.21,-12.297) 15.223,-12.285 15.223,3.635 v1(15.232,3.645)
  signal2 w0.254: v1(1.8,3.5) 1.826,3.5 2.126,3.8 7.67,3.8 8.47,4.6 14.277,4.6 v1(15.232,3.645) ; v1(15.21,-12.297) 17.651,-12.297 v1(18.525,-11.424)
  Bottom Layer w0.254: J7.10@1.27,4.5 1.27,4.136 1.782,3.624 1.782,3.518 v1(1.8,3.5)